# Altium PCB PCB1.PcbDoc
Units mil, origin at the board's own origin, x right, y up, seen from the top; angles counter-clockwise.
Board outline 2605 x 1975 mil, 2 copper layers (Top Layer, Bottom Layer); 26 components, 28 nets, 116 pads, 6 vias.
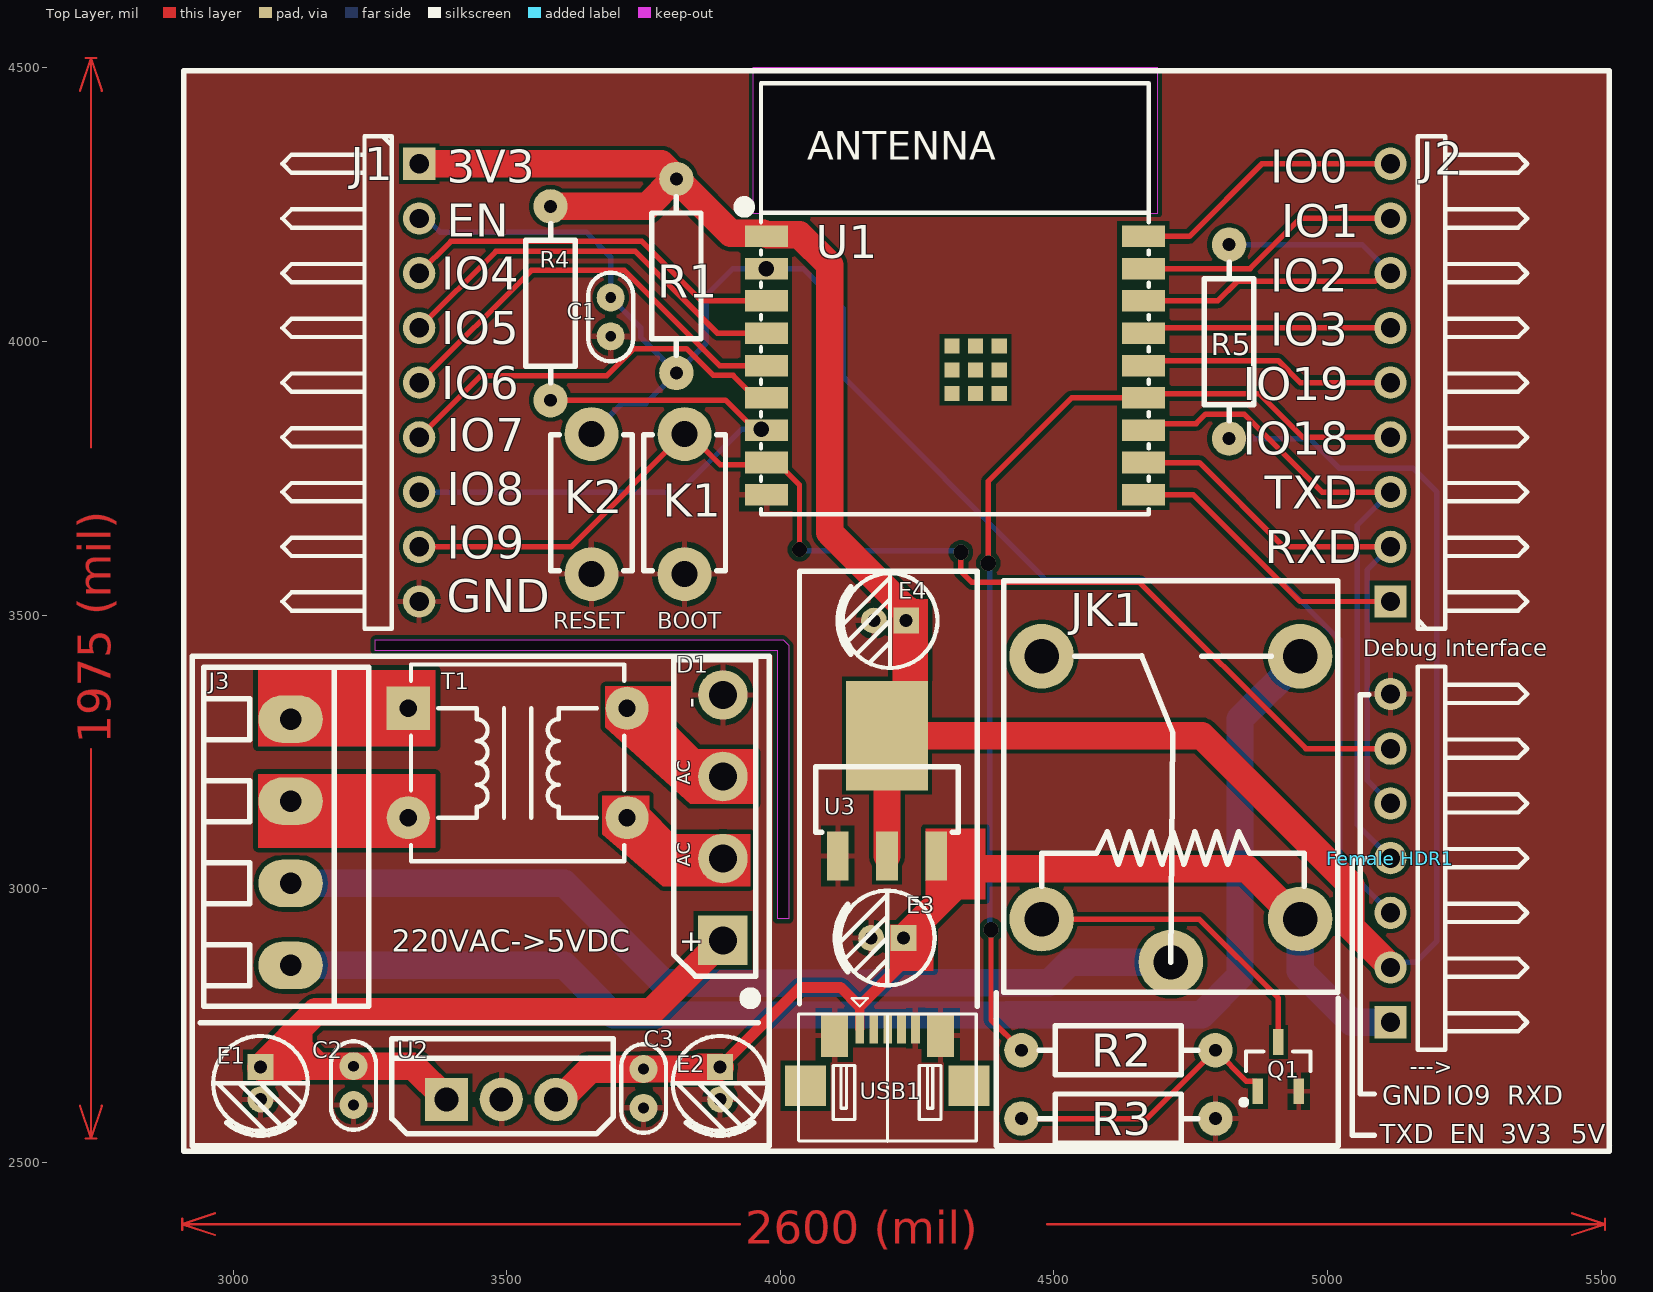
[diagram p0: Top Layer view]
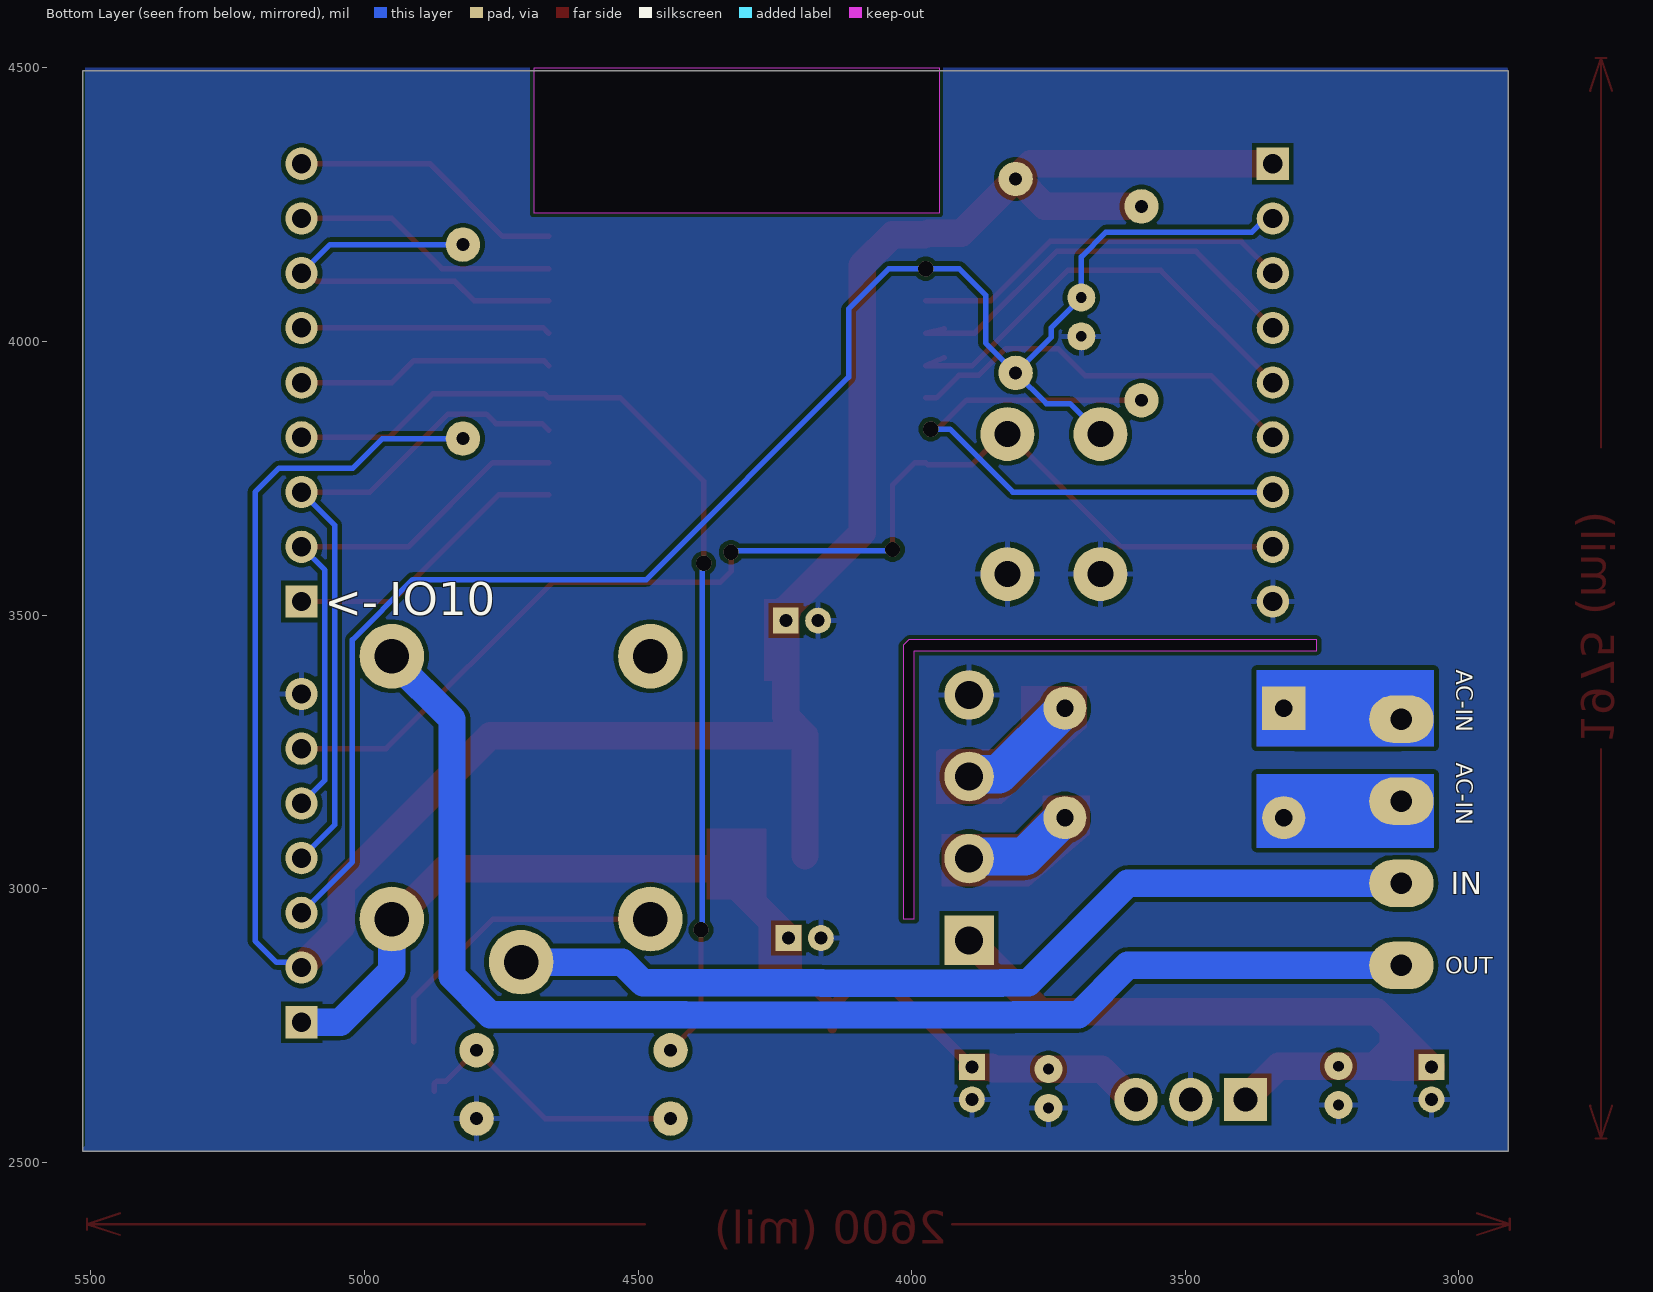
[diagram p1: Bottom Layer view, seen from below]

## Layer stack, top to bottom
Top Solder: solder mask 0.4, Solder Resist, Dk 3.5
Top Layer: signal copper 1.4
Dielectric 1: dielectric 12.6, FR-4, Dk 4.8
Bottom Layer: signal copper 1.4
Bottom Solder: solder mask 0.4, Solder Resist, Dk 3.5

## Board outline
2910,2520 2910,4495 5515,4495 5515,2520
cut-out: 3260,3435 3260,3455 4005,3455 4015,3445 4015,2945 3995,2945 3995,3435
cut-out: 3950,4235 4690,4235 4690,4500 3950,4500

## Design rules (kind name [scope] priority, off if disabled: settings)
Clearance [All] p1: gap=8 ignorepadtopadclearanceinfootprint=FALSE
PolygonConnect [All] p1: connectstyle=Relief reliefconductorwidth=10 reliefentries=4 polygonreliefangle="90 Angle" airgapwidth=10
RoutingVias [All] p1: holewidth=28 width=50 viastyle="Through Hole" minholewidth=28 minwidth=50 maxholewidth=28 maxwidth=50
SolderMaskExpansion [All] p1: expansion=4 istentingtop=FALSE
Width [All] p1: maxlimit=100 minlimit=10 preferedwidth=10
30 further rules are at their usual default settings.

## Components (designator, comment, footprint, x,y, rotation, side; value= is the part's Value field where it differs from the comment)
C1 "104" "CC 1.8*3.6" 3690,4045 r270 top
C2 "104" "CC 1.8*3.6" 3220,2640.43 r270 top
C3 "104" "CC 1.8*3.6" 3750,2635 r270 top
D1 "Bridge" GBP 3895,3130 r90 top
E1 "470uf" "CAP 1.5*4*8" 3050,2644.53 r270 top
E2 "470uf" "CAP 1.5*4*8" 3890,2644.53 r270 top
E3 "10uF/16V" "CAP 1.5*4*8" 4195.47,2910 r180 top
E4 "10uF/16V" "CAP 1.5*4*8" 4200.47,3490 r180 top
"Female HDR1" "Pin HDR1X7" "Pin HDR1X7/2.54mm-W" 5115,2756.06 r90 top
J1 "Pin HDR1X9" "Pin HDR1X9/2.54mm-W" 3340,4325 r270 top
J2 "Pin HDR1X9" "Pin HDR1X9/2.54mm-W" 5115,3525 r90 top
J3 "KF128-4P" KF128-3.81-4P 3105,3085 r270 top
JK1 "SRD-05VDC-SL-C" SRD-C_B 4477.56,2944.68 r90 top
K1 "KEY" DIP-3X6X4.3 3825,3575 r90 top
K2 "KEY" DIP-3X6X4.3 3655,3575 r90 top
Q1 "SS8050" SOT23-3N 4910,2675 r0 top
R1 "10K" "RS 1/4W" 3810,4120 r90 top
R2 "10K" "RS 1/4W" 4617.83,2705 r0 top
R3 "10K" "RS 1/4W" 4617.83,2580 r0 top
R4 "10K" "RS 1/4W" 3580,4070 r90 top
R5 "10K" "RS 1/4W" 4820,4000 r270 top
T1 "EI28" DA10XC 3520,3230 r0 top
U1 "ESP32­C3­WROOM­02" ESP32C3 3974.41,4192.4 r0 top
U2 "LM7805" TO220A 3490,2615 r0 top
U3 "AMS1117" SOT223 4195,3060 r0 top
USB1 "Micro-USB" USB-MICRO_A 4145,2745 r0 top

## Footprints (in the part's own frame and the unit in brackets; to place one, negate y for a bottom-side part, rotate by r counter-clockwise, add the part's x,y. Pads: shape width x height; smd on the part's side, far side on the other; paste and mask are expansions set on the pad)
"CAP 1.5*4*8" [mm] "脚距1.5mm直径4mm高度8mm"
  rect 1.2x1.2 hole 0.6: 1(-0.75,0)
  round 1.2 hole 0.6: 2(0.75,0)
  silkscreen extent -2.2,-2.2 2.41,2.2, body extent -2,-2 2.02,2, height 8.04
"CC 1.8*3.6" [mm] "脚距1.8mm直径3.6mm"
  round 1.3 hole 0.5: 1(-0.9,0) 2(0.9,0)
  silkscreen extent -2.05,-1.04 2.05,1.04, body extent -1.8,-0.8 1.8,0.8, height 3.6
DA10XC [mm] "9mm*9.52mm*6.35mm(长*宽*高)"
  rect 2x2 hole 0.8 unplated: 1(-5.08,2.54)
  round 2 hole 0.8 unplated: 3(-5.08,-2.54) 4(5.08,-2.54) 6(5.08,2.54)
  silkscreen extent -4.95,-4.57 4.95,4.57, body extent -5.2,-4.5 5.21,4.5, height 6.4
DIP-3X6X4.3 [mm]
  round 2.5 hole 1.2: 1(0,0) 3(6.5,0)
  silkscreen extent 0.16,-1.9 6.46,1.9, body extent -0.64,-1.75 7.19,1.75, height 4.31
ESP32C3 [mm]
  rect 2x1 smd paste+0 mask+0.05: 1(0,0) 2(0,-1.5) 3(0,-3) 4(0,-4.5) 5(0,-6) 6(0,-7.5) 7(0,-9) 8(0,-10.5) 9(0,-12) 10(17.5,-12) 11(17.5,-10.5) 12(17.5,-9) 13(17.5,-7.5) 14(17.5,-6) 15(17.5,-4.5) 16(17.5,-3) 17(17.5,-1.5) 18(17.5,0)
  rect 0.7x0.7 smd paste+0 mask+0.05: 19(8.61,-7.3) 19(8.61,-6.2) 19(8.61,-5.1) 19(9.71,-7.3) 19(9.71,-6.2) 19(9.71,-5.1) 19(10.81,-7.3) 19(10.81,-6.2) 19(10.81,-5.1)
  silkscreen extent -1.28,-12.9 17.75,7.1, body extent -0.25,-12.95 17.75,7.05, height 3.3
GBP [mm] "14.2*2.9*10.5mm(长宽高)"
  round 2.3 hole 1.3: AC1(1.91,0) AC2(-1.9,0) DC-(5.7,0)
  rect 2.3x2.3 hole 1.3: DC+(-5.7,0)
  silkscreen extent -8.64,-1.52 7.34,2.29, body extent -7.1,-1 7.1,1.9, height 12.8
KF128-3.81-4P [mm] "螺钉式接线端子，脚距3.81mm"
  oval 2.2x3 hole 1: 1(-5.715,0) 2(-1.905,0) 3(1.905,0) 4(5.715,0)
  silkscreen extent -8.13,-4.04 7.62,3.63, body extent -8.12,-3.9 7.62,3.5, height 8.55
"Pin HDR1X7/2.54mm-W" [mm] "Connector; Header; 7 Position; Right Angle"
  rect 1.5x1.5 hole 0.9: 1(0,0)
  round 1.5 hole 0.9: 2(2.54,0) 3(5.08,0) 4(7.62,0) 5(10.16,0) 6(12.7,0) 7(15.24,0)
  silkscreen extent -1.27,-6.35 16.51,-1.27, body extent -1.27,-9.97 16.51,0.38, height 2.54
"Pin HDR1X9/2.54mm-W" [mm] "Connector; Header; 9 Position; Right Angle"
  rect 1.5x1.5 hole 0.9: 1(0,0)
  round 1.5 hole 0.9: 2(2.54,0) 3(5.08,0) 4(7.62,0) 5(10.16,0) 6(12.7,0) 7(15.24,0) 8(17.78,0) 9(20.32,0)
  silkscreen extent -1.27,-6.35 21.59,-1.27, body extent -1.27,-9.97 21.59,0.38, height 2.54
"RS 1/4W" [mm] "直插色环电阻，脚距9mm，直径2.3mm"
  round 1.6 hole 0.6: 1(-4.5,0) 2(4.5,0)
  silkscreen extent -3.68,-1.14 3.68,1.14, body extent -4.72,-1.16 4.73,1.16, height 2.32
SOT23-3N [mm] "3x1.3x1mm(长宽高)"
  rect 0.5x1.2 smd: 1(-0.95,-1.143) 2(0.95,-1.143) 3(0,1.143)
  silkscreen extent -1.72,-1.78 1.5,0.7, body extent -1.5,-1.2 1.5,1.2, height 1.05
SOT223 [mil]
  rect 40x90 smd: 1(-90,0) 2(0,0) 3(90,0)
  rect 150x200 smd: 2(0,220)
  silkscreen extent -130,43 130,163, body extent -130,-30 126,246, height 65
SRD-C_B [mm] "单刀双投"
  round 3 hole 1.6: 1(0,0) 2(0,-12) 3(-2,-6) 4(12.2,0) 5(12.2,-12)
  silkscreen extent -3.4,-13.75 15.7,1.75, body extent -3.33,-13.85 15.77,1.65, height 15.6
TO220A [mm] "220，3脚晶体管"
  rect 2x2 hole 1.1: 1(-2.54,0)
  round 2 hole 1.1: 2(0,0) 3(2.54,0)
  silkscreen extent -5.08,-1.6 5.21,2.82, body extent -5.08,-1.45 5.22,2.98, height 18.5
USB-MICRO_A [mm]
  rect 1.9x1.9 smd: 0(-2.515,-2.667) 0(5.08,-2.667)
  rect 0.4x1.4 smd: 1(0,0) 2(0.648,0) 3(1.295,0) 4(1.943,0) 5(2.591,0)
  rect 1.25x2 smd: 5(-1.168,-0.33) 5(3.759,-0.33)
  silkscreen extent -2.84,-5.24 5.41,1.4, body extent -2.71,-5.08 5.25,0.34, height 2.69

## Part data
C1 C2 C3: library part C-CC, "直插瓷片电容", BOM名称=直插瓷片电容, 学习资源=www.ooocke.com, 版权归属=源创客
E1 E2 E3 E4: library part C-CAP, "直插电解电容", BOM名称=直插电解电容, 学习资源=www.ooocke.com, 版权归属=源创客
JK1: "5V一组转换"
Q1: library part 8050-SMD, "高频放大-NPN型", BOM名称=高频放大-NPN型, 学习资源=www.ooocke.com, 属性="40V 1.5A 1W 100MHZ", 版权归属=源创客
R1 R2 R3 R4 R5: library part R-CRR, "直插色环电阻", BOM名称=色环电阻, 学习资源=www.ooocke.com, 版权归属=源创客
T1: library part DA10XC, "EI28卧式1.2W220V转12V工频PCB线路板直插针式小型变压器单相交流", ROM名称=数字隔离变压器, 学习资源=www.ooocke.com, 版权归属=源创客
U1: "ESP32-C3模块"
U3: "三端稳压芯片"

## Via types
v1: diameter 28, hole 28, Top Layer to Bottom Layer, 6 vias

## Nets (pads, with @x,y where several pads share a name; then routed paths per layer and width w, separated by ;. In a path a pad name is that pad's centre, name@x,y a point inside that pad or via, vN(x,y) a via of type N, cw(c..) or ccw(c..) an arc to the next point about the centre after c; other vN are vias at no path point)
3V3: "Female HDR1.2" E4.1 J1.1 R1.2 R4.2 R5.2 U1.1 U3.2 | length 4715.5
  Top Layer w50: J1.1 3782.17,4325 R1.2 ; R4.2 3756.48,4247.17 3806.48,4297.17 R1.2 ; U1.1@3969.09,4197.72 3909.45,4197.72 R1.2 ; U1.1@3977.01,4195 4035,4195 4090,4140 4090,3651.02 4227.57,3513.45 4227.57,3506.27 E4.1@4230,3503.84 ; U3.2@4195,3060 U3.2@4195,3280 ; E4.1@4235,3508.84 E4.1@4230,3503.84 ; 5115,2856.06 5115,2858.51 5042.56,2930.96 5042.56,3007.44 4770,3280 U3.2@4195,3280 ; U3.2@4195,3280 4230,3315 E4.1 E4.1@4230,3503.84
  Bottom Layer w10: R5.2 4967.17,3822.83 5021.08,3768.92 5156.08,3768.92 5200,3725 5200,2905 5160.45,2865.45 5124.39,2865.45 5115,2856.06
+5: "Female HDR1.1" C3.1 E2.1 E3.1 JK1.2 U2.3 U3.3 USB1.1 | length 2056.8
  Top Layer w18: USB1.1 4145,2785
  Top Layer w20: E2.1 4035.94,2820 4109.99,2820 4145,2785 4225,2865 E3.1
  Top Layer w25: 4285,2970 U3.3
  Top Layer w50: U2.3 3597.78,2615 3652.98,2670.21 3749.77,2670.21 C3.1 3750.23,2670.66 3850.55,2670.66 3853.94,2674.06 E2.1 ; E3.1 4285,2970 4351.74,3036.74 4852.47,3036.74 4944.53,2944.68 JK1.2
  Bottom Layer w50: JK1.2 4950,2850 5043.94,2756.06 5115,2756.06
EN: "Female HDR1.3" C1.1 J1.2 K2.3 R1.1 U1.2 | length 3093.4
  Top Layer w10: C1.1@3690,4071.63 C1.1 ; R1.1 R1.1@3810,3951.63
  Bottom Layer w10: J1.2 3353.27,4225 3378.27,4200 3645,4200 3690,4155 C1.1 3745.29,4025.15 3745.29,4007.55 R1.1 ; K2.3 3710.77,3886.68 3753.84,3886.68 R1.1 ; 5115,2956.06 5022.06,3049.01 5022.06,3454.85 4911.9,3565 4485,3565 4115,3935 4115,4060 4041.65,4133.35 v1(3974.41,4133.35) 3913.35,4133.35 3865,4085 3865,3997.83 R1.1
GND: "Female HDR1.7" C1.2 C2.2 C3.2 D1.DC- E1.2 E2.2 E3.2 E4.2 J1.9 K1.1 K2.1 Q1.2 R3.2 U1.9 U2.2 U3.1 USB1.5
GPIO0: J2.9 U1.18 | length 506.5
  Top Layer w10: U1.18 4747.4,4192.4 4880,4325 J2.9
GPIO1: J2.8 U1.17 | length 489.7
  Top Layer w10: U1.17 4812.25,4133.35 ccw(c4820,4177.17) 4827.75,4133.35 4858.35,4133.35 4950,4225 J2.8
GPIO2: J2.7 R5.1 U1.16 | length 789.2
  Top Layer w10: U1.16 4799.29,4074.29 4835,4110 5086.73,4110 5101.73,4125 J2.7
  Bottom Layer w10: R5.1 5062.83,4177.17 J2.7
GPIO3: J2.6 U1.15 | length 455.7
  Top Layer w10: U1.15 4673.15,4025 J2.6
GPIO4: J1.3 U1.3 | length 703.5
  Top Layer w10: J1.3 3398,4183 3747,4183 3855,4075 3973.7,4075 U1.3
GPIO5: J1.4 U1.4 | length 789.7
  Top Layer w10: J1.4 3480,4165 3735,4165 3884.76,4015.24 U1.4 U1.4@3940.04,4023.33
GPIO6: J1.5 U1.5 | length 831
  Top Layer w10: J1.5@3342.31,3925 J1.5 3545,4130 3715,4130 3888.82,3956.18 U1.5 U1.5@3940.04,3970.86
GPIO7: J1.6 U1.6 | length 739
  Top Layer w10: J1.6 3452.33,3937.33 3682.72,3937.33 3732.72,3987.33 3828.43,3987.33 3877.58,3938.18 3913.68,3938.18 3954.72,3897.13 U1.6
GPIO8: J1.7 R4.1 U1.7 | length 1079.8
  Top Layer w10: R4.1 3580.28,3893.12 3899.68,3893.12 3952.8,3840 v1(3965,3840)
  Bottom Layer w10: J1.7 3815,3725 3930,3840 v1(3965,3840)
GPIO9: "Female HDR1.6" J1.8 K1.3 U1.8 | length 2191.4
  Top Layer w10: J1.8 3617.02,3625 3822.92,3830.91 K1.3 3834.09,3830.91 3890,3775 3970.39,3775 U1.8 3994.09,3779.02 4035,3738.11 v1(4035,3620) ; v1(4330,3615) 4330,3580 4350,3560 4656.39,3560 4960.33,3256.06 5115,3256.06
  Bottom Layer w10: v1(4035,3620) 4037.5,3617.5 4327.5,3617.5 v1(4330,3615)
GPIO10: J2.1 U1.10 | length 532.4
  Top Layer w10: U1.10 4755.04,3719.96 4950,3525 J2.1
GPIO18: J2.4 R2.1 U1.13 | length 1899.5
  Top Layer w10: v1(4380,3595) 4380,3745 4532.13,3897.13 U1.13 4671.26,3905 4875,3905 4955,3825 J2.4 ; v1(4385,2925) 4385,2760.67 R2.1
  Bottom Layer w10: v1(4380,3595) 4382.5,3592.5 4382.5,2927.5 v1(4385,2925)
GPIO19: J2.5 U1.14 | length 471.8
  Top Layer w10: U1.14 4672.21,3965 4910,3965 4950,3925 J2.5
INPUT: J3.3 JK1.3 | length 1700.5
  Bottom Layer w50: J3.3 3605,3010 3787,2828 3835.37,2828 3836.06,2827.32 4163.22,2827.32 4163.9,2828 4491.06,2828 4529,2865.94 JK1.3
NetC2_1: C2.1 D1.DC+ E1.1 U2.1 | length 1306.9
  Top Layer w50: U2.1 3329.13,2675.87 C2.1 3219.77,2675.64 3119.45,2675.64 3117.87,2674.06 E1.1 3150.94,2775 3764.41,2775 D1.DC+
NetD1_AC1: D1.AC1 T1.6 | length 453.4
  Top Layer w70: T1.6 3840.87,3209.13 3891.07,3209.13 D1.AC1
  Bottom Layer w70: T1.6 3840.87,3209.13 3891.07,3209.13 D1.AC1
NetD1_AC2: D1.AC2 T1.4 | length 412
  Top Layer w70: T1.4 3722.37,3130 3793.24,3059.13 3891.07,3059.13 D1.AC2
  Bottom Layer w70: T1.4 3722.37,3130 3793.24,3059.13 3891.07,3059.13 D1.AC2
NetJ3_1: J3.1 T1.1 | length 453.8
  Top Layer w100: J3.1@3095,3316.69 3306.69,3316.69 T1.1
  Bottom Layer w100: J3.1 3300,3310 T1.1
NetJ3_2: J3.2 T1.3 | length 454.9
  Top Layer w100: J3.2 3290,3160 T1.3
  Bottom Layer w100: J3.2 3290,3160 T1.3
NetJK1_1: JK1.1 Q1.3 | length 572.4
  Top Layer w10: JK1.1 4765.32,2944.68 4910,2800 Q1.3
NetQ1_1: Q1.1 R2.2 R3.1 | length 522.8
  Top Layer w10: R3.1 4670,2580 R2.2 4851.38,2648.62 4867.76,2648.62 4872.6,2643.78 Q1.1
OUTPUT: J3.4 JK1.5 | length 2432.4
  Bottom Layer w50: J3.4 3605,2860 3695,2770 3811.35,2770 3812.03,2769.32 4413.77,2769.32 4414.46,2770 4770,2770 4840,2840 4840,3309.53 4950,3419.53 JK1.5
U0RXD: "Female HDR1.5" J2.2 U1.11 | length 1019.6
  Top Layer w10: U1.11 4765.98,3779.02 4920,3625 J2.2
  Bottom Layer w10: 5115,3156.06 5072.47,3198.59 5072.47,3582.47 J2.2
U0TXD: "Female HDR1.4" J2.3 U1.12 | length 1241.8
  Top Layer w10: U1.12 4675.32,3850 4759.76,3850 4777.09,3867.33 4847.67,3867.33 4990,3725 J2.3
  Bottom Layer w10: 5115,3056.06 5054.47,3116.59 5054.47,3664.47 J2.3
pads on no net: JK1.4 U1.19 USB1.0 USB1.2 USB1.3 USB1.4
copper on no net: | length 4047.3
  Top Layer w3.94: 2720,2603.4 2740,2543.4 ; 2720,4458.4 2740,4518.4 ; 2730,2543.4 2750,2543.4 ; 2730,4518.4 2750,4518.4 ; 2740,3254.99 2740,2543.4 ; 2740,3806.82 2740,4518.4 ; 2760,2603.4 2740,2543.4 ; 2760,4458.4 2740,4518.4 ; 2906.91,2376.99 2906.91,2396.99 ; 2966.91,2366.99 2906.91,2386.99 ; 2966.91,2406.99 2906.91,2386.99 ; 3926,2386.99 2906.91,2386.99 ; 4487.83,2386.99 5506.91,2386.99 ; 5446.91,2366.99 5506.91,2386.99 ; 5446.91,2406.99 5506.91,2386.99 ; 5506.91,2376.99 5506.91,2396.99

## Polygon pours and split planes (outlines as drawn)
GND on Bottom Layer "GND_L02_P001" (solid, pour order 1): 2905,4500 2910,4495 2910,2520 5520,2520 5510,2530 5510,4500
GND on Top Layer "GND_L01_P002" (solid, pour order 2): 2910,2520 5510,2520 5520,2530 5510,2540 5510,4490 2915,4490 2910,4495

## Other copper
Top Layer:
  rectangle net +5: 4200,2850 4280,2935
  rectangle net +5: 4265,2980 4375,3110
  rectangle net 3V3: 4205,3380 4270,3530
  rectangle net NetJ3_2: 3045,3075 3370,3210
  rectangle net NetJ3_1: 3045,3260 3370,3400
  region net NetC2_1: 3145,2750 3145,2695 3125,2715 3125,2730
  region net NetC2_1: 3120,2745 3170,2695 3170,2685 3080,2685 3110,2735
  region net NetD1_AC2: 3675,3170 3760,3170 3760,3145 3805,3100 3945,3100 3945,3005 3785,3005 3675,3100
  region net NetD1_AC1: 3680,3370 3800,3370 3800,3305 3850,3255 3950,3255 3955,3250 3955,3155 3835,3155 3680,3295
  text "1975 (mil)" at 2775.99,3264.99 h60 r90
  text "2600 (mil)" at 3936,2351 h60
Bottom Layer:
  rectangle net NetJ3_2: 3045,3075 3370,3210
  rectangle net NetJ3_1: 3045,3260 3370,3400

## Silkscreen, mask and mechanical layers (free items; w line width, h text height)
Top Overlay:
  lines w10: 2940,2755 3960,2755 ; 4035,2790 4035,3580 4360,3580 4360,2805 4360,2785 ; 4395,2810 4395,2530 5012.5,2530 5020,2530 5020,2800 ; 5070,3055 5045,3055 5045,2550 5050,2550 5085,2550 ; 5075,3355 5060,3355 5060,2635 5060,2625 5085,2625 ; 2910,2520 5515,2520 5515,4495 2910,4495 2910,4390 2910,2520 ; 2925,2530 2925,3425 3980,3425 3980,2530 2925,2530
  text "3V3" at 3390,4289.92 h60
  text "IO0" at 4894.98,4289.96 h60
  text "EN" at 3390,4191.81 h60
  text "IO1" at 4914.98,4190.68 h60
  text "IO4" at 3380,4095 h60
  text "IO2" at 4894.98,4091.4 h60
  text "IO5" at 3380,3995 h60
  text "IO3" at 4894.98,3992.12 h60
  text "IO6" at 3380,3895 h60
  text "IO19" at 4845,3892.84 h60
  text "IO7" at 3390,3799.35 h60
  text "IO18" at 4845,3793.56 h60
  text "IO8" at 3390,3701.23 h60
  text "TXD" at 4884.99,3694.28 h60
  text "IO9" at 3390,3603.12 h60
  text "RXD" at 4884.99,3595 h60
  text "GND" at 3390,3505 h60
  text "RESET" at 3585,3475 h30
  text "BOOT" at 3775,3475 h30
  text "Debug Interface" at 5065,3425 h30
  text "220VAC->5VDC" at 3290,2885 h40
  text "--->" at 5150,2660 h30
  text "GND" at 5100,2605 h35
  text "IO9" at 5216.94,2605 h35
  text "RXD" at 5328.06,2605 h35
  text "TXD" at 5095,2535 h35
  text "EN" at 5223.33,2535 h35
  text "3V3" at 5316.67,2535 h35
  text "5V" at 5445,2535 h35
Bottom Overlay:
  text "IO10" at 4955,3500 h60
  text "->" at 4975,3495 h60
  text "AC-IN" at 3005,3400 h30 r90
  text "AC-IN" at 3005,3230 h30 r90
  text "IN" at 3015,2990 h40
  text "OUT" at 3025,2845 h30

## Text inside footprints (layer, text, board x,y; h text height)
D1: Top Overlay "AC" at 3835,3040 h23.62 r90; Top Overlay "-" at 3855,3330 h39.37 r90; Top Overlay "+" at 3855,2880 h39.37 r90; Top Overlay "AC" at 3835,3190 h23.62 r90
U1: Top Overlay "ANTENNA" at 4049.44,4332.21 h51.92